# Altium PCB controller_V1.1.PcbDoc (part 2 of 7)
Units mil, origin at the board's own origin, x right, y up, seen from the top; angles counter-clockwise.
Board outline 9606 x 5905.51 mil, 2 copper layers (Top Layer, Bottom Layer); 439 components, 370 nets, 1496 pads, 8411 vias.
Unrouted connection lines stored in the file: 1.
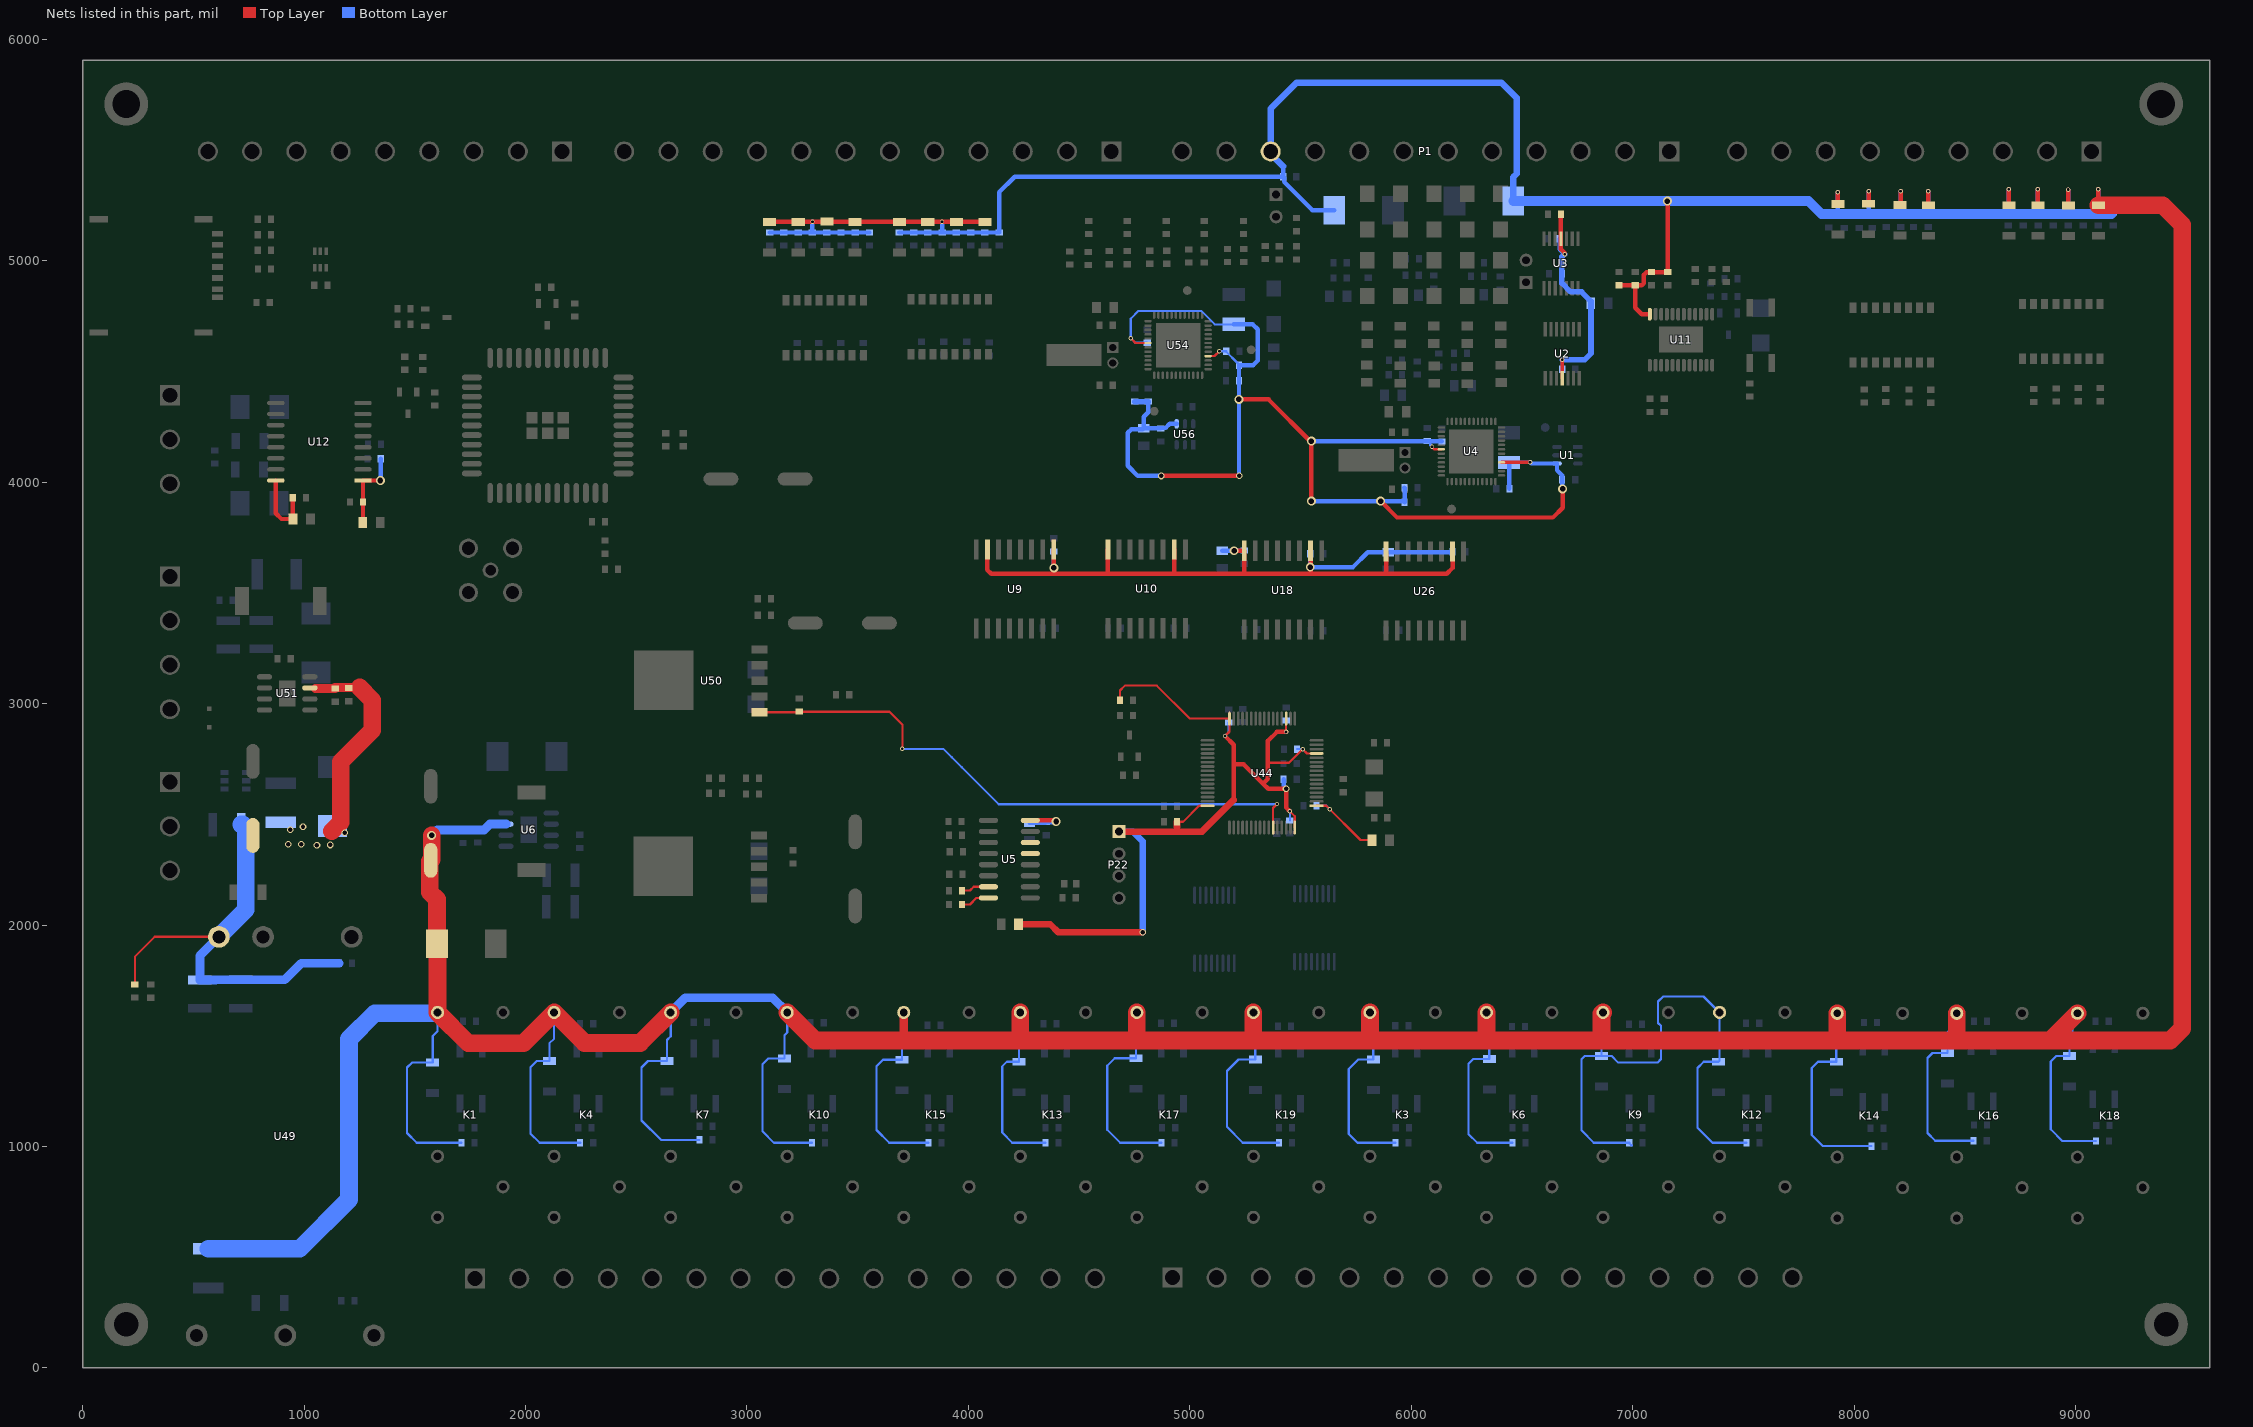
[diagram p2: the nets of this part, all layers, seen from the top]

## Via types
v1: diameter 20, hole 12, Top Layer to Bottom Layer, tented both sides, 8291 vias
v2: diameter 23.62, hole 11.81, Top Layer to Bottom Layer, 50 vias
v3: diameter 40, hole 25, Top Layer to Bottom Layer, tented both sides, 48 vias
v4: diameter 30, hole 20, Top Layer to Bottom Layer, tented both sides, 16 vias
v5: diameter 60, hole 40, Top Layer to Bottom Layer, tented both sides, 4 vias
v6: diameter 59.06, hole 39.37, Top Layer to Bottom Layer, 2 vias

## Nets (pads, with @x,y where several pads share a name; then routed paths per layer and width w, separated by ;. In a path a pad name is that pad's centre, name@x,y a point inside that pad or via, vN(x,y) a via of type N, cw(c..) or ccw(c..) an arc to the next point about the centre after c; other vN are vias at no path point) (continued)
3.3V_MCU: C123.2 C124.2 C125.2 C126.2 C127.2 FB5.2 LD1.1 P22.1 R168.2 U44.13 U44.19 U44.32 U44.48 U44.64 | length 4279.4
  Top Layer w10: LD1.1@4685,3015 4685,3059.69 4706.87,3081.56 4851.44,3081.56 5000.3,2932.7 U44.32@5179.25,2932.7 5179.25,2874.25 v1(5159,2854) ; C126.2@4942.06,2467 4970,2467 5042,2539 U44.48@5080.83,2539 ; 5353,2733 5448.55,2733 v1(5510.55,2795) ; v1(5434.85,2872.45) 5435.16,2872.75 U44.19@5435.16,2932.7 ; v1(5452,2514) 5474.53,2491.47 U44.64@5474.53,2440.57 ; v1@5510.55,2794 5529.33,2775.22 U44.13@5572.95,2775.22
  Top Layer w20: v1(5159,2854) 5198,2815 5198,2727 ; 5198,2565 5198,2727 ; v1(5434.85,2872.45) 5393.45,2872.45 5353,2832 5353,2733 5353,2661 5331,2639 ; v1(5452,2514) 5434.85,2531.15 v4(5434.85,2616) 5354,2616 5331,2639 ; 5198,2727 5243,2727 5331,2639
  Top Layer w30: FB5.2@4226.74,2004 4370,2004 4407,1967 v4(4787,1967) ; P22.1@4680,2422 5055,2422 5198,2565 ; 4942.06,2443.4 C126.2@4942.06,2467
  Bottom Layer w10: v1(5159,2854) 5175.85,2870.85 C124.2@5175.85,2914.94 ; v1(5434.85,2872.45) C123.2@5434.85,2923.94 ; C127.2@5452,2472.06 v1(5452,2514) ; C125.2@5485.01,2795 v1(5510.55,2795)
  Bottom Layer w20: R168.2@5423.9,2659 5423.9,2626.95 v4(5434.85,2616)
  Bottom Layer w30: P22.1@4680,2422 4744,2422 4787,2379 4787,2217 ; v4(4787,1967) 4787,2217 ; 4787,2289 4787,2217
3.3V_MCU_AD: C128.2 FB6.2 U44.1 | length 381.6
  Top Layer w10: U44.1@5572.95,2539 5616,2539 5771,2384 FB6.2@5823.11,2384
  Bottom Layer w10: C128.2@5572.01,2539 5616,2539 v1(5632.47,2522.53)
3.8V_EN: R183.2 U44.59 U50.1 | length 2753.7
  Top Layer w10: U50.1@3057.07,2961.47 3233.47,2961.47 R183.2@3236,2964 3644,2964 3702,2906 v1(3702,2796) ; U44.59@5376.1,2440.57 5375.79,2440.89 5375.79,2528.79 v1(5394,2547)
  Bottom Layer w10: v1(3702,2796) 3887,2796 3970,2713 ; 3925,2758 3970,2713 ; v1(5394,2547) 5393,2546 5126,2546 4137,2546 3970,2713
5V_F: C47.2 C49.2 C58.2 FB4.2 R24.2 U2.4 U3.4 | length 1072.8
  Top Layer w15: U2.4@6682,4469 v1(6682,4554)
  Top Layer w20: R24.2@6676,5211 U3.4@6676,5099 6676,5052 6693,5035 v1(6693,5030)
  Bottom Layer w15: C49.2@6681.94,4511 v1@6681.97,4553.97
  Bottom Layer w20: C47.2@6671.08,5099 6671.08,5051.92 v1(6693,5030)
  Bottom Layer w25: C58.2@6680.76,4941.24 C58.2@6680.5,4941.5 ; v1(6682,4554) 6784,4554 6812,4582 6812,4817 6769.5,4859.5 6720,4859.5 6680.5,4899.01 C58.2@6680.5,4941.5 ; v1(6693,5030) 6680.5,5017.5 C58.2@6680.5,4941.5
5VA: C2.2 C84.2 C85.2 C86.2 C121.2 C133.2 C157.2 E13.1 E14.1 FB2.2 R19.1 R20.1 R73.1 R75.1 R189.1 R190.1 U1.4 U4.6 U4.28 U54.6 U54.28 U56.4 | length 6264.4
  Top Layer w10: v1(4733,4651) 4755.16,4628.84 U54.6@4811.34,4628.84 ; U54.28@5082.99,4569.79 5111.79,4569.79 v1(5134,4592) ; v1(6094,4160) 6092.04,4160 6103.2,4148.84 U4.6@6136.34,4148.84
  Top Layer w15: U4.28@6407.99,4089.79 v1(6536.79,4089.79)
  Top Layer w20: v4(4870.38,4028.46) 4871.92,4030 v4(5223,4030) ; v3(5222.17,4374) 5356,4374 v3@5549,4181 ; v3(5549,3915) v3@5549,4181 ; v3(5549.06,4185.94) v3@5549,4181 ; v3(5862,3915) 5936,3841 6640,3841 6684,3885 v3(6684,3970)
  Bottom Layer w10: C86.2@4807.17,4629.95 4754.05,4629.95 v1(4733,4651) 4733,4738.19 4768.84,4774.03 5051.14,4774.03 5112.17,4713 E13.1@5198.85,4713 ; v1(5134,4592) C85.2@5164.8,4592 5164.8,4589.05 5213.11,4540.73 5213.39,4540.73 5222.17,4531.95 R19.1@5222.17,4529 ; C133.2@6085.78,4172.17 6085.78,4166.26 6092.04,4160 v1(6094,4160) ; C121.2@6137,4185.94 C121.2@6139,4183.94
  Bottom Layer w15: E14.1@6442.17,4089 6442.95,4089.79 v1(6536.79,4089.79)
  Bottom Layer w20: R75.1@4812.17,4364 4812.17,4316.17 4792.17,4296.17 FB2.2@4792.17,4244.16 ; v4(4870.38,4028.46) 4765.54,4028.46 4720,4074 4720,4223 4736.58,4239.58 4787.58,4239.58 FB2.2@4792.17,4244.16 ; U56.4@4940.76,4263.66 4909.46,4263.66 4890.82,4245.02 4870.03,4245.02 4868.35,4243.34 4792.98,4243.34 FB2.2@4792.17,4244.16 ; E13.1@5198.85,4713 5285,4713 5307,4691 5307,4550 5286,4529 R19.1@5222.17,4529 R189.1@5222.17,4459 v3(5222.17,4374) 5222.17,4030.83 v4(5223,4030) ; v3(5549,3915) v3(5862,3915) 5963.94,3915 R73.1@5969.94,3909 5969.94,3974.06 R20.1@5969,3975 ; v3(5549.06,4185.94) C133.2@6072,4185.94 C121.2@6137,4185.94 ; E14.1@6442.17,4089 6443.06,4088.11 C84.2@6443.06,3970 ; v1(6536.79,4089.79) 6541.98,4084.6 U1.4@6658.45,4084.6 6658.45,4053.65 6681.64,4030.46 C2.2@6681.64,4012 6681.64,3972.36 v3(6684,3970)
  Bottom Layer w25: R190.1@4752.17,4364 R75.1@4812.17,4364
5VD_F: C138.2 C160.2 C164.2 C165.2 FB1.2 FB3.2 U9.1 U9.7 U10.10 U10.16 U18.10 U18.16 U26.10 U26.16 | length 3847.1
  Top Layer w20: U9.7@4085.85,3695.9 4085.85,3604.15 4103,3587 6161,3587 6186.85,3612.85 U26.10@6186.85,3686.87 ; 4385.85,3587.15 U9.1@4385.85,3695.9 ; 4629.85,3596.15 U10.16@4629.85,3696.9 ; 4929.85,3592.15 U10.10@4929.85,3696.9 ; v3(5200.1,3690.9) U18.16@5245.85,3690.9 5245.85,3591.85 ; 5545.85,3590.15 U18.10@5545.85,3690.9 ; 5886.85,3590.15 U26.16@5886.85,3686.87
  Bottom Layer w20: v3(4386,3613) C138.2@4386,3687.94 ; FB3.2@5146.85,3690.74 5245.69,3690.74 C165.2@5246,3691.06 ; C164.2@5543.94,3677 v3(5543.94,3617.06) 5737.06,3617.06 5803.74,3683.74 FB1.2@5896.85,3683.74 6183.72,3683.74 C160.2@6186.85,3686.87
24V_F: C16.1 C18.1 C19.1 C20.1 C22.1 C23.1 C24.1 C26.1 C35.2 C36.2 C37.2 C54.2 C56.1 C63.1 C65.1 C76.1 C78.1 C79.1 C80.1 C96.2 C108.1 C167.2 D4.2 D13.2 D14.2 D15.2 D16.2 D17.2 D18.2 D19.2 D20.2 D21.2 D23.2 D24.2 D25.2 D27.2 D28.2 D29.2 D30.2 D31.2 D32.2 D33.2 D34.2 D36.2 D37.2 D38.2 D39.2 D40.2 D41.2 D42.2 D43.2 D45.2 D49.2 D52.2 D75.2 D76.2 E138.1 F4.2 K1.4 K3.4 K4.4 K6.4 K7.4 K9.4 K10.4 K12.4 K13.4 K14.4 K15.4 K16.4 K17.4 K18.4 K19.4 P1.10 R9.2 R15.2 R31.2 R33.2 R35.2 R38.2 R42.2 R46.2 R81.2 R86.2 R92.2 R96.2 R108.2 R113.2 R115.2 R117.2 R122.2 R123.2 R125.2 R126.2 R129.2 R133.2 R137.2 R141.2 R145.2 R149.2 R151.2 R153.2 R155.2 R157.2 R159.2 R179.2 U6.7 U11.24 | length 41227.9
  Top Layer w20: D15.2@3101.61,5176.01 D14.2@3231.61,5176.01 D4.2@3488.61,5176.01 D18.2@3688.61,5176.01 D17.2@3816.61,5176.01 D16.2@3946.61,5176.01 D45.2@4074.61,5176.01 ; C37.2@6938.54,4889.95 C36.2@7011.87,4889.95 ; U11.24@7077.79,4759.16 7040.84,4759.16 7011.87,4788.13 C36.2@7011.87,4889.95 ; v3@7158.54,5269.53 C35.2@7158.54,4949 C96.2@7085.2,4949 7062.55,4949 7050,4936.45 7050,4898 7041.95,4889.95 C36.2@7011.87,4889.95 ; D43.2@7927,5256.9 v1(7927,5310) ; D42.2@8066,5257.9 v1(8066,5314) ; D41.2@8208,5252.9 8210,5254.9 v1(8210,5315) ; v1(8334.52,5313.94) 8334.52,5252.37 D40.2@8336,5250.9 ; v1(8698.51,5323.38) 8698.51,5251.39 D39.2@8699,5250.9 ; v1(8829.51,5323.38) 8829.51,5251.39 D38.2@8830,5250.9 ; v1(8967.86,5321.86) 8967.86,5249.86 D37.2@8968.35,5249.37 ; v1(9103.51,5323.38) 9103.51,5251.39 D36.2@9104,5250.9
  Top Layer w25: 3707,1479 3708.2,1480.2 3708.2,1520
  Top Layer w40: 3708.2,1520 K15.4@3708.2,1605.61
  Top Layer w80: v3(1576,2405) 1576,2296.68 E138.1@1572,2292.68 1568,2288.68 1568,2149 1600,2117 D52.2@1600,1916 1602.85,1913.15 K1.4@1602.85,1605.61 1741.46,1467 1990.58,1467 K4.4@2129.17,1605.61 2266.8,1468 2517.92,1468 K7.4@2655.53,1605.61 ; K10.4@3181.87,1605.61 3308.47,1479 3707,1479 4234.54,1479 ; K13.4@4234.54,1605.61 4234.54,1479 ; K17.4@4760.88,1605.61 4760.88,1479 ; K19.4@5287.22,1605.61 5287.22,1479 ; K3.4@5813.56,1605.61 5813.56,1479 ; K6.4@6339.9,1605.61 6339.9,1479 ; K9.4@6866.24,1605.61 6859.85,1599.22 6859.85,1479 ; K14.4@7924,1601.61 7924,1487 7916,1479 ; K16.4@8463.72,1601.61 8463.72,1487.72 8455,1479 ; K18.4@9008.72,1602 8885.72,1479 ; D36.2@9104,5250.9 9394.1,5250.9 9482,5163 9482,1533 9428,1479 8885.72,1479 ; 4234.54,1479 4760.88,1479 ; 4760.88,1479 5287.22,1479 ; 5287.22,1479 5813.56,1479 ; 5813.56,1479 6339.9,1479 ; 6339.9,1479 6859.85,1479 ; 6859.85,1479 7916,1479 ; 7916,1479 8455,1479 ; 8455,1479 8885.72,1479
  Bottom Layer w10: K1.4@1602.85,1605.61 1602.85,1520.85 1580.85,1498.85 D49.2@1580.85,1378.9 1486.9,1378.9 1465,1357 1465,1061 1508.69,1017.31 R122.2@1710.8,1017.31 ; K4.4@2129.17,1605.61 2129.19,1487.19 2107.85,1465.85 D20.2@2107.85,1385.9 2050.9,1385.9 2023,1358 2023,1058 2063.69,1017.31 R125.2@2246.8,1017.31 ; K7.4@2655.53,1605.61 2655.53,1497.53 2638.85,1480.85 D23.2@2638.85,1385.9 2552.9,1385.9 2524,1357 2524,1118 2612,1030 R129.2@2785.94,1030 ; K10.4@3181.87,1605.61 3181.87,1514.87 3169.85,1502.85 D24.2@3169.85,1397.9 3095.9,1397.9 3070,1372 3070,1069 3121.69,1017.31 R133.2@3293.03,1017.31 ; K15.4@3708.2,1605.61 3700.85,1598.25 D27.2@3700.85,1391.9 3614.9,1391.9 3585,1362 3585,1075 3642.69,1017.31 R141.2@3820.44,1017.31 ; K13.4@4234.54,1605.61 4228.85,1599.91 D25.2@4228.85,1382.9 4173.9,1382.9 4153,1362 4153,1063 4198.69,1017.31 R137.2@4347.85,1017.31 ; K17.4@4760.88,1605.61 4756.85,1601.58 D28.2@4756.85,1398.9 4660.9,1398.9 4627,1365 4627,1076 4685.69,1017.31 R145.2@4872.8,1017.31 ; K19.4@5287.22,1605.61 5295.85,1596.98 D29.2@5295.85,1392.9 5219.9,1392.9 5168,1341 5168,1089 5239.69,1017.31 R149.2@5402.68,1017.31 ; K3.4@5813.56,1605.61 5813.56,1524.44 5828.85,1509.15 D30.2@5828.85,1392.9 5760.9,1392.9 5718,1350 5718,1057 5757.69,1017.31 R151.2@5928.8,1017.31 ; K6.4@6339.9,1605.61 6339.9,1508.1 6352.85,1495.15 D31.2@6352.85,1394.9 6279.9,1394.9 6259,1374 6259,1056 6297.69,1017.31 R153.2@6457.5,1017.31 ; K9.4@6866.24,1605.61 6859.85,1599.22 D32.2@6859.85,1408.9 ; R155.2@6996.64,1005.58 6993.69,1005.58 6984.91,1014.35 R155.2@6984.91,1017.31 6824.69,1017.31 6769,1073 6769,1394 6783.9,1408.9 D32.2@6859.85,1408.9 ; R157.2@7513.85,1017.31 7360.69,1017.31 7293,1085 7293,1355 7320.9,1382.9 D33.2@7387.85,1382.9 7392.57,1387.62 K12.4@7392.57,1605.61 7320.18,1678 7138,1678 7115,1655 7115,1558 7128,1545 7128,1395 7112,1379 6935.46,1379 6905.57,1408.9 D32.2@6859.85,1408.9 ; K14.4@7928,1595.76 7920,1587.76 D34.2@7920,1383.15 7837.15,1383.15 7809,1355 7809,1052 7858.85,1002.15 R159.2@8078,1002.15 ; K16.4@8447,1595.76 8447,1540 8422,1515 D19.2@8422,1422.15 8354.15,1422.15 8332,1400 8332,1061 8366.85,1026.15 R123.2@8540,1026.15 ; K18.4@8986,1603.61 8986,1482 8973,1469 D21.2@8973,1409.05 8913.05,1409.05 8888,1384 8888,1078 8940.85,1025.15 R126.2@9093,1025.15
  Bottom Layer w20: C65.1@3102.61,5128.11 C63.1@3231.46,5128.11 R92.2@3295.89,5128.11 ; v1@3295.89,5175.9 R92.2@3295.89,5128.11 ; R81.2@3553.61,5128.11 C108.1@3489.18,5128.11 C56.1@3360.32,5128.11 R92.2@3295.89,5128.11 ; C80.1@3688.61,5128.11 C79.1@3817.18,5128.11 R115.2@3881.46,5128.11 ; v1@3881.46,5175.47 R115.2@3881.46,5128.11 ; C167.2@5421.85,5380 4209,5380 4138.61,5309.61 R108.2@4138.61,5128.11 C76.1@4074.32,5128.11 C78.1@3945.75,5128.11 R115.2@3881.46,5128.11 ; 5421.85,5426.54 5421.85,5380.09 C167.2@5421.94,5380 5425.72,5376.22 5425.72,5357.28 5554,5229 D76.2@5652,5229 ; 7925.94,5211 7927,5212.06 v1(7927,5310) ; 8066,5224 v1(8066,5314) ; C20.1@8210,5212.06 v1(8210,5315) ; C18.1@8334.52,5211 v1(8334.52,5313.94) ; C24.1@8698.51,5220.57 v1(8698.51,5323.38) ; C22.1@8829.51,5221.97 v1(8829.51,5323.38) ; C19.1@8967.86,5219.06 v1(8967.86,5321.86) ; C16.1@9103.51,5219.28 v1(9103.51,5323.38)
  Bottom Layer w30: 5421.85,5426.54 5365.35,5483.04 P1.10@5365.35,5494 5365.35,5687.35 5483,5805 6407,5805 6476.63,5735.37 6476.63,5393.63 6460.88,5377.88 D75.2@6460.88,5270.07
  Bottom Layer w40: v3@1578,2406 1602,2430 C54.2@1717.85,2430 1813,2430 1839,2456 U6.7@1911.49,2456 ; K7.4@2655.53,1605.61 2721.92,1672 3115.47,1672 K10.4@3181.87,1605.61
  Bottom Layer w45: D75.2@6460.88,5270.07 v3(7157,5270.07) 7793.93,5270.07 7853,5211 7925.94,5211 R38.2@8146,5211 R35.2@8268.33,5211 8334.52,5211 C18.1@8336,5211 R9.2@9162.94,5211
  Bottom Layer w80: F4.2@568,538 980,538 1203,761 1203,1486 1319,1602 1599.24,1602 K1.4@1602.85,1605.61
  other v1: 3296,5176.01 3881,5176.01
24V_IN: C44.1 C134.2 C135.2 C136.2 C140.2 D26.2 F1.2 R25.1 R102.2 R182.2 U49.3 U51.7 | length 2949
  Top Layer w10: R102.2@235.85,1732.06 235.85,1856.85 326,1947 U49.3@615,1947
  Top Layer w40: U51.7@1051,3069 C140.2@1138.85,3069 ; C140.2@1139.85,3073 1251,3073
  Top Layer w80: 1125,2424 1165,2464 1165,2737.17 1308.23,2880.39 1308.23,3015.77 1251,3073
  Bottom Layer w40: U49.3@615,1947 529.5,1861.5 C135.2@529.5,1752.53 529.81,1752.84 599.74,1752.84 599.85,1752.95 C136.2@713,1752.95 912.95,1752.95 988,1828 R25.1@1157.94,1828
  Bottom Layer w80: U49.3@615,1947 737,2069 737,2432.8 736.12,2433.69 736.12,2440.85 722.97,2454 C134.2@715.8,2454
  other v4: 1058,2361 1118,2362 928,2365 987,2365 1184,2417 937,2430 995,2445
232_3V3: C9.1 FB9.2 U5.16 | length 229.6
  Top Layer w20: U5.16@4279.83,2473 4391,2473 v3(4396,2468)
  Bottom Layer w20: FB9.2@4276,2461.74 4348.74,2461.74 C9.1@4352,2465 v3@4386,2465
232_rxd1: U5.13
232_rxd2: R28.1 U5.8 | length 131.4
  Top Layer w10: R28.1@3971.85,2093 4007,2093 4037,2123 U5.8@4090.85,2123
232_txd1: U5.14
232_txd2: R27.1 U5.7 | length 127
  Top Layer w10: R27.1@3970.91,2156 4007,2156 4024,2173 U5.7@4090.85,2173
485_3.3V3: C45.2 FB7.1 R227.2 U12.1 | length 368.8
  Top Layer w20: FB7.1@1265,3818 1266,3819 C45.2@1266,3911 U12.1@1266,4008 v3(1345,4008)
  Bottom Layer w20: v3(1345,4008) 1346,4009 R227.2@1346,4107
485_5V: C46.2 FB8.1 U12.16 | length 333.1
  Top Layer w20: U12.16@872.3,4008 872.3,3859.7 898,3834 FB8.1@950,3834 948.94,3835.06 C46.2@948.94,3930